# Altium PCB raspberry pi4.PcbDoc (part 2 of 2)
Units mm, origin at the board's own origin, x right, y up, seen from the top; angles counter-clockwise.
Board outline 121.25 x 91.25 mm, 4 copper layers (Top Layer, GND, PWR, Bottom Layer), stack 1.57 mm thick; 97 components, 119 nets, 632 pads, 47 vias.
Unrouted connection lines stored in the file: 124.
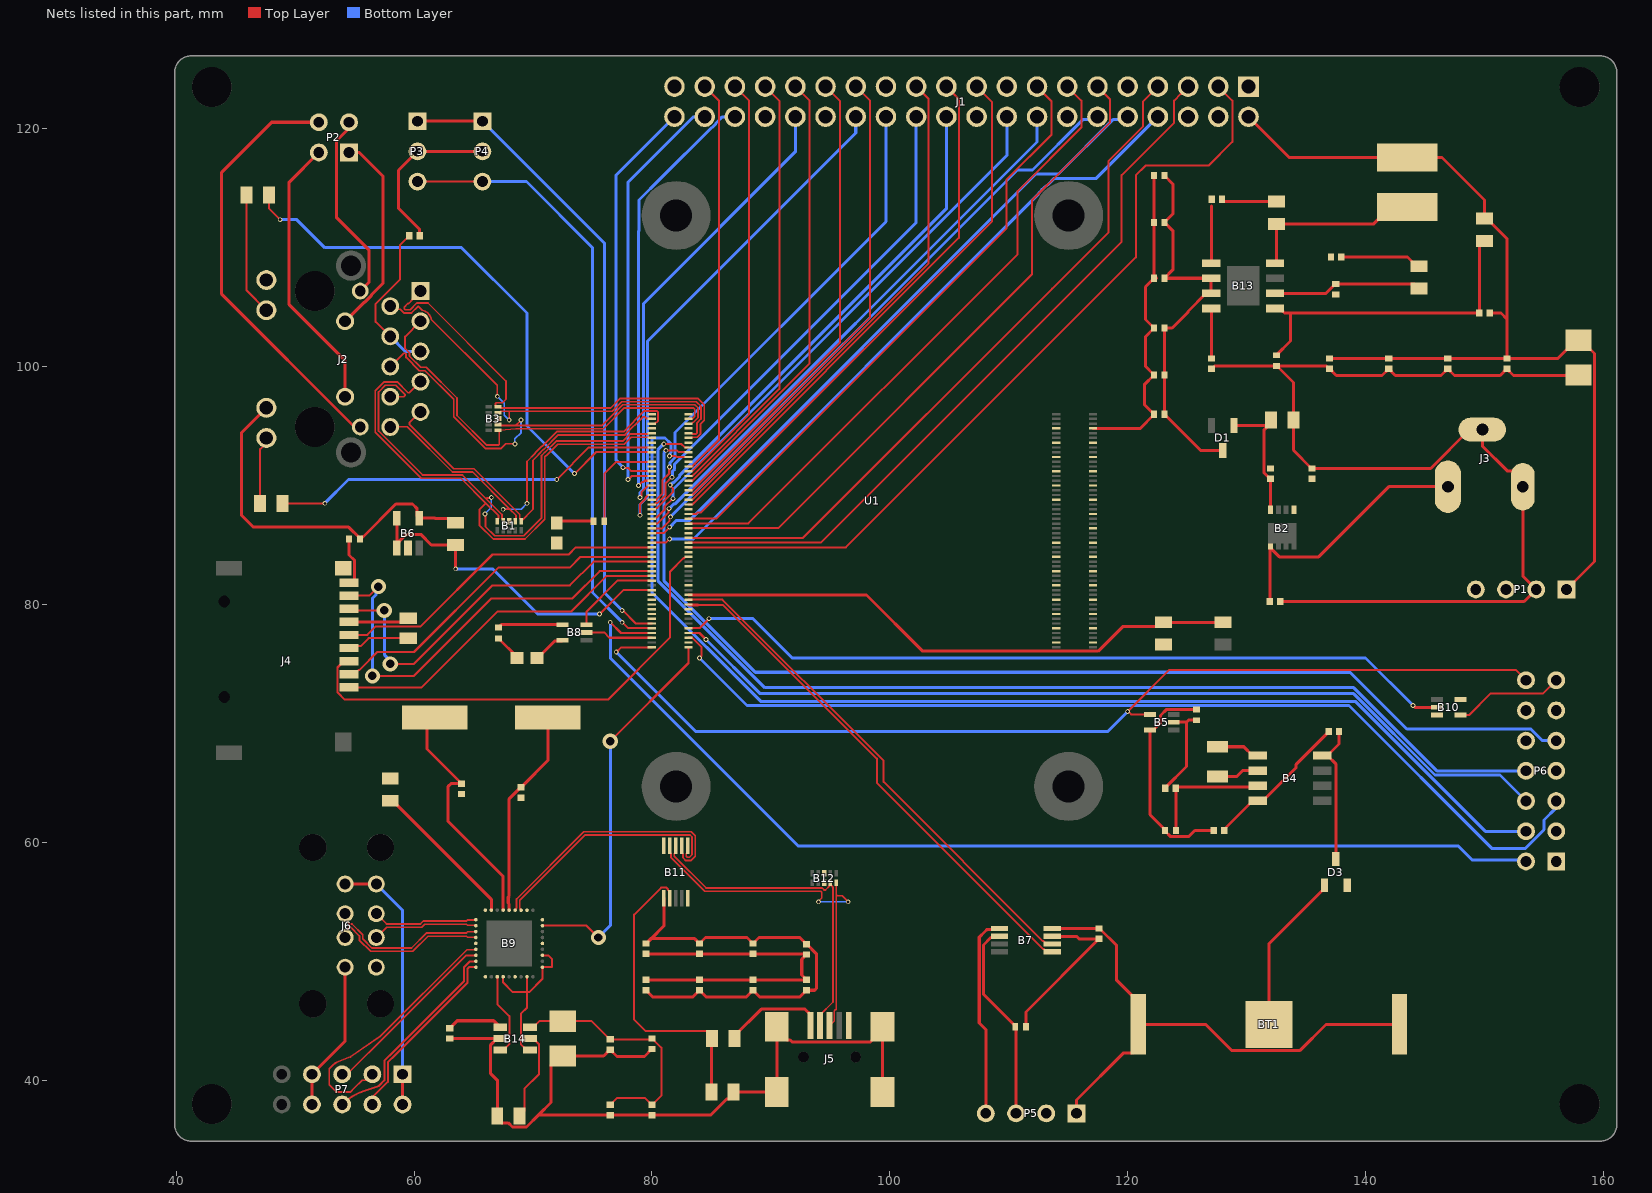
[diagram p2: the nets of this part, all layers, seen from the top]

## Via types
v1: diameter 0.4, hole 0.25, Top Layer to Bottom Layer, 41 vias
v2: diameter 1.27, hole 0.711, Top Layer to Bottom Layer, 6 vias

## Nets (pads, with @x,y where several pads share a name; then routed paths per layer and width w, separated by ;. In a path a pad name is that pad's centre, name@x,y a point inside that pad or via, vN(x,y) a via of type N, cw(c..) or ccw(c..) an arc to the next point about the centre after c; other vN are vias at no path point) (continued)
"3.3 V": B6.4 B7.3 B8.5 B9.5 B9.10 B9.15 B9.23 B9.27 B9.29 B9.36 B11.1 C9.2 C10.2 C11.2 C12.1 C13.1 C14.1 C15.1 C16.1 C17.1 D2.2 D3.2 D4.2 J1.1 J1.17 J2.15 J2.17 R5.1 R7.2 R8.2 R11.2 U1.84 U1.86 | length 86.7
  Top Layer w0.254: J2.17@47.59,96.535 45.5,94.445 45.5,87.5 46.5,86.5 54.512,86.5 R7.2@55.457,85.555 ; R7.2@55.457,85.5 R7.2@55.457,85.555 ; R8.2@63.5,86.87 63.127,87.243 61.781,87.243 61.774,87.25 B6.4@60.44,87.25 60.262,87.428 60.262,88.053 59.878,88.437 58.476,88.437 55.712,85.673 55.575,85.673 R7.2@55.457,85.555 ; D4.2@70.35,75.5 70.4,75.5 71.827,76.927 72.427,76.927 B8.5@72.5,77 ; C10.2@79.5,47.563 80.063,47 83.437,47 C11.2@84,47.563 84.563,47 87.937,47 C12.1@88.5,47.563 89.063,47 92.437,47 C13.1@93,47.563 93.681,47.563 93.83,47.712 93.83,50.642 93.035,51.437 C14.1@93,51.437 92.437,52 89,52 C15.1@88.5,51.5 88,52 84.5,52 C16.1@84,51.5 83.6,51.9 79.935,51.9 ; C17.1@79.5,51.5 79.9,51.9 79.935,51.9 ; C17.1@79.535,51.5 79.935,51.9 ; B11.1@81,55.3 81,52.965 79.935,51.9 ; R11.2@111.457,44.5 111.457,45.742 117.429,51.714 117.429,51.749 C9.2@117.567,51.887 ; B7.3@113.67,52.1 115.693,52.1 115.906,51.887 C9.2@117.567,51.887 ; C9.2@117.602,51.887 C9.2@117.567,51.887
"+5 V": B5.5 B10.5 B14.1 C8.2 C20.1 C22.2 C23.2 C24.2 C25.2 C26.2 C36.2 J1.2 J1.4 L1.2 P1.1 R9.1 R10.1 R17.2 U1.77 U1.79 U1.81 U1.83 U1.85 U1.87 | length 106
  Top Layer w0.254: C36.2@63,44.374 63.626,45 66.7,45 B14.1@67.25,44.45 ; R10.1@125.778,71.18 123.279,71.18 122.762,70.664 122.762,70.042 122.173,69.453 B5.5@121.873,69.453 121.873,62.328 123.146,61.055 123.146,60.945 123.618,60.473 125.121,60.473 125.648,61 C8.2@127.235,61 ; J1.2@130.16,121 133.585,117.575 L1.2@143.5,117.575 146.425,117.575 150,114 R17.2@150,112.435 150.21,112.435 151.881,110.764 151.881,104 ; C22.2@136.981,100.685 C23.2@141.948,100.685 C24.2@146.914,100.685 C25.2@151.881,100.685 ; C26.2@150.437,104.5 151.381,104.5 151.881,104 ; P1.1@156.893,81.264 159.241,83.612 159.241,101.096 158.119,102.218 C20.1@157.909,102.218 157.699,102.218 156.166,100.685 C25.2@151.881,100.685 ; C25.2@151.881,100.685 151.881,104
"+12 V": B2.1 B13.2 B13.3 C1.1 C2.2 C27.2 C28.2 C29.2 C30.2 C31.2 C32.2 D1.3 P1.4 P5.2 | length 34
  Top Layer w0.254: C27.2@123.096,116.062 123.8,115.358 123.8,112.829 C28.2@123.096,112.125 123.8,111.421 123.8,108.13 C32.2@123.096,107.426 B13.2@127.027,107.426 B13.3@127.027,106.156 126.589,106.156 125.067,104.633 125.067,104.56 123.742,103.235 C31.2@123.096,103.235 C30.2@123.096,99.298 C29.2@123.096,95.996 123.096,95.961 123.234,95.823 123.269,95.823 126.142,92.95 D1.3@128,92.95 D1.3@128,92.625 ; C1.1@131.965,91.437 C1.1@132,91.437
AIN0: P6.5 U1.96 | length 83.5
  Top Layer w0.17: U1.96@83.08,77.2 83.392,77.2 84.164,76.428 84.164,75.817 84.164,75.664 v1(84,75.5)
  Bottom Layer w0.254: v1(84,75.5) 88,71.5 138.606,71.5 150.606,59.5 152,59.5 152.633,59.5 153.442,59.5 154.467,60.525 155.008,61.065 155.008,61.875 156.03,62.897 P6.5@156.03,63.47
AIN1: P6.6 U1.94 | length 76.3
  Top Layer w0.17: U1.94@83.08,77.6 84.004,77.6 v1(84.552,77.052)
  Bottom Layer w0.254: v1(84.552,77.052) 89.104,72.5 138.999,72.5 145.844,65.656 151.304,65.656 P6.6@153.49,63.47
BT_DIS: P3.3 P4.3 U1.91 | length 52.3
  Top Layer w0.17: P3.3@60.289,115.551 P4.3@65.75,115.551 ; v1(77.5,78.5) 78,78 U1.91@80,78
  Bottom Layer w0.254: P4.3@65.75,115.551 69.449,115.551 75,110 75,81 v1(77.5,78.5)
EEPROM_WP: P6.4 U1.20 | length 99.3
  Top Layer w0.17: v1(81.486,92.491) 81.985,92.491 82.061,92.415 83.065,92.415 U1.20@83.08,92.4
  Bottom Layer w0.254: v1(81.486,92.491) 81.514,92.519 81.514,92.699 81.594,92.778 81.594,93.51 81.104,94 80,94 80,81 89.146,71.854 139.145,71.854 145.697,65.302 ; 145.698,65.302 150.07,60.93 P6.4@153.49,60.93
"ETH_LED G": R3.2 U1.17 | length 48.9
  Top Layer w0.17: R3.2@47.798,114.427 47.798,113.302 v1(48.748,112.352) ; v1(73.5,91) 75.3,92.8 U1.17@80,92.8
  Bottom Layer w0.254: v1(48.748,112.352) 50.148,112.352 52.5,110 64,110 69.5,104.5 69.5,95 v1(73.5,91)
"ETH_LED Y": R4.2 U1.15 | length 33
  Top Layer w0.17: R4.2@48.935,88.5 v1(52.5,88.5) ; v1(72,90.5) 74.7,93.2 U1.15@80,93.2
  Bottom Layer w0.254: v1(52.5,88.5) 54.5,90.5 v1(72,90.5)
EXTRST: B9.26 U1.100 | length 32.7
  Top Layer w0.17: B9.26@70.8,53 74.5,53 v2(75.5,52) ; v2(76.5,68.5) 83.08,75.08 U1.100@83.08,76.4
  Bottom Layer w0.254: v2(75.5,52) 76.5,53 v2(76.5,68.5)
GLOBAL_EN: B5.4 P6.14 U1.99 | length 86.9
  Top Layer w0.17: v1(77,76) 77.022,76 77.422,76.4 U1.99@80,76.4 ; B5.4@121.873,70.753 120.287,70.753 120.04,71 v1(120,71) 123.5,74.5 152.62,74.5 P6.14@153.49,73.63
  Bottom Layer w0.254: v1(77,76) 83.7,69.3 118.3,69.3 v1(120,71)
GND: B1.3 B3.3 B4.4 B6.2 B7.4 B8.3 B10.3 B11.5 B11.10 B12.3 B12.8 B14.2 BT1.P1 BT1.P2 C2.1 C3.1 C4.1 C5.1 C6.1 C8.1 C9.1 C10.1 C11.1 C12.2 C13.2 C14.2 C15.2 C16.2 C17.2 C18.2 C19.2 C20.2 C22.1 C23.1 C24.1 C25.1 C27.1 C28.1 C29.1 C30.1 C31.1 C32.1 C33.1 C34.1 C35.2 C36.1 C37.1 C38.1 C39.1 C40.1 C41.1 J1.6 J1.9 J1.14 J1.20 J1.25 J1.30 J1.34 J1.39 J3.2 J3.3 J4.6 J4.G1 J5.5 J5.S1 J5.S2 J5.S3 J5.S4 J6.4 J6.8 P1.2 P1.3 P3.2 P4.2 P5.1 P6.1 P6.3 P6.7 P6.10 P6.12 P7.7 P7.8 R1.1 R13.1 R15.2 R19.1 R20.2 U1.1 U1.2 U1.7 U1.8 U1.13 U1.14 U1.22 U1.23 U1.32 U1.33 U1.42 U1.43 U1.52 U1.53 U1.59 U1.60 U1.65 U1.66 U1.71 U1.74 U1.98 U1.107 U1.108 U1.113 U1.114 U1.119 U1.120 U1.125 U1.126 U1.131 U1.132 U1.137 U1.138 U1.144 U1.150 U1.155 U1.156 U1.161 U1.162 U1.167 U1.168 U1.173 U1.174 U1.179 U1.180 U1.185 U1.186 U1.191 U1.192 U1.197 U1.198 | length 324.1
  Top Layer w0.17: B8.3@74.5,78.3 74.5,79.4 77.1,82 U1.71@80,82
  Top Layer w0.254: P7.8@51.42,37.96 P7.7@51.42,40.5 54.21,43.29 J6.8@54.21,49.5 ; J4.6@54.55,78.535 59.205,78.535 C6.1@59.5,78.83 ; C3.1@60.474,111 60.474,111.526 58.7,113.3 58.7,116.502 P3.2@60.289,118.091 P4.2@65.75,118.091 ; C36.1@63,43.5 B14.2@66.975,43.5 ; B14.2@67.25,43.5 B14.2@66.975,43.5 ; C10.1@79.5,48.437 C11.1@84,48.437 C12.2@88.5,48.437 C13.2@93,48.437 92.6,48.837 92.6,50.163 C14.2@93,50.563 92.968,50.595 88.532,50.595 C15.2@88.5,50.626 C16.2@84,50.626 C17.2@79.5,50.626 ; C38.1@80,42.626 79.374,42 77.063,42 C37.1@76.5,42.563 76.465,42.563 75.942,42.04 C35.2@72.5,42.04 72.29,42.04 71.522,41.272 71.522,38.121 70.493,37.092 ; J5.S1@90.5,44.5 J5.S1@90.5,44.25 ; J5.S3@99.4,39 J5.S2@99.4,44.25 ; J5.S2@99.4,44.5 J5.S2@99.4,44.25 ; B7.4@113.67,52.75 113.676,52.756 117.597,52.756 C9.1@117.602,52.761 117.637,52.761 119.078,51.32 119.078,48.404 120.889,46.593 BT1.P2@120.889,44.688 ; P5.1@115.697,37.211 115.697,38.342 119.63,42.275 120.381,42.275 120.889,42.783 BT1.P2@120.889,44.688 ; U1.108@117.08,94.8 121.061,94.8 122.222,95.961 C29.1@122.222,95.996 121.4,96.818 121.4,98.476 C30.1@122.222,99.298 121.5,100.02 121.5,102.513 C31.1@122.222,103.235 121.5,103.957 121.5,106.704 C32.1@122.222,107.426 ; C27.1@122.222,116.062 C28.1@122.222,112.125 122.222,107.659 122.42,107.461 C32.1@122.42,107.426 ; C33.1@127.048,99.811 127.083,99.811 127.315,100.043 R19.1@132.5,100.043 R19.1@132.555,100.043 ; C8.1@128.109,61 128.018,61 130.502,63.484 B4.4@130.927,63.484 131.352,63.484 134.167,66.299 134.167,66.56 136.898,69.291 C5.1@136.898,69.326 ; C4.1@132.819,80.248 153.337,80.248 P1.2@154.353,81.264 153.22,82.397 J3.2@153.22,89.9 153.22,90.428 152.414,91.234 151.905,91.234 149.82,93.319 J3.3@149.82,94.7 148.744,94.7 145.481,91.437 C2.1@135.5,91.437 135.465,91.437 133.935,92.967 R1.1@133.935,95.5 133.935,98.663 R19.1@132.555,100.043 ; BT1.P1@142.859,44.688 136.667,44.688 134.46,42.481 128.776,42.481 126.569,44.688 BT1.P2@120.889,44.688 ; C20.2@157.909,99.298 157.396,99.811 156.835,99.25 152.442,99.25 C25.1@151.881,99.811 151.32,99.25 147.475,99.25 C24.1@146.914,99.811 146.353,99.25 142.509,99.25 C23.1@141.948,99.811 141.387,99.25 137.542,99.25 C22.1@136.981,99.811 136.946,99.811 136.714,100.043 R19.1@132.555,100.043 ; B14.2@66.975,43.5 66.448,42.973 66.448,40.554 67,40.002 R20.2@67,37 67,36.79 67.373,36.417 67.922,36.417 68.276,36.063 69.464,36.063 70.493,37.092 ; 70.493,37.092 70.522,37.063 C39.1@76.5,37.063 C40.1@80,37.063 84.933,37.063 86.287,38.417 86.497,38.417 86.87,38.79 R15.2@86.87,39 J5.S4@90.5,39 J5.S1@90.5,44.25 ; J5.S1@90.5,44.25 91.373,43.377 91.623,43.377 91.777,43.223 98.373,43.223 J5.S2@99.4,44.25
GPIO2: J1.3 U1.58 | length 69
  Top Layer w0.17: U1.58@83.08,84.8 96.3,84.8 120.684,109.184 120.684,116.084 121.5,116.9 126.8,116.9 128.8,118.9 128.8,122.36 J1.3@127.62,123.54
GPIO3: J1.5 U1.56 | length 62.6
  Top Layer w0.17: U1.56@83.08,85.2 94.2,85.2 119.5,110.5 119.5,116.1 123.9,120.5 123.9,122.36 124.47,122.93 125.08,122.93 J1.5@125.08,123.54
GPIO4: J1.7 U1.54 | length 59.9
  Top Layer w0.17: U1.54@83.08,85.6 83.392,85.6 83.407,85.585 92.685,85.585 113.659,106.559 118.4,111.3 118.4,117.3 121.3,120.2 121.3,122.3 J1.7@122.54,123.54
GPIO5: J1.29 U1.34 | length 39.9
  Top Layer w0.17: U1.34@83.08,89.6 83.33,89.6 83.392,89.6 95.802,102.01 95.802,122.338 J1.29@94.6,123.54
GPIO6: J1.31 U1.30 | length 38
  Top Layer w0.17: U1.30@83.08,90.4 83.392,90.4 83.507,90.515 93.262,100.27 93.262,122.338 J1.31@92.06,123.54
GPIO7: J1.26 U1.37 | length 40.6
  Top Layer w0.17: U1.37@80,88.8 80.371,88.8 80.887,89.316 80.887,90.439 81.46,91.012 81.46,91.526 v1(81.486,91.552)
  Bottom Layer w0.254: v1(81.486,91.552) 81.514,91.58 81.514,91.914 81.948,92.348 81.948,94.448 99.68,112.18 J1.26@99.68,121
GPIO8: J1.24 U1.39 | length 42
  Top Layer w0.17: U1.39@80,88.4 80.015,88.415 80.265,88.415 80.365,88.515 80.468,88.515 81.157,89.204 81.157,90.205 81.646,90.695 v1(81.69,90.695)
  Bottom Layer w0.254: v1(81.69,90.695) 81.718,90.723 81.718,91.181 81.913,91.375 81.913,91.813 102.22,112.12 J1.24@102.22,121
GPIO9: J1.21 U1.40 | length 45.2
  Top Layer w0.17: U1.40@83.08,88.4 83.392,88.4 83.507,88.515 105.807,110.816 105.807,122.492 J1.21@104.76,123.54
GPIO10: J1.19 U1.44 | length 47.6
  Top Layer w0.17: U1.44@83.08,87.6 83.33,87.6 83.43,87.6 83.715,87.6 83.83,87.715 84.115,87.715 108.6,112.2 108.6,121.258 108.6,122.24 107.91,122.93 J1.19@107.3,123.54
GPIO11: J1.23 U1.38 | length 43.7
  Top Layer w0.17: U1.38@83.08,88.8 83.392,88.8 83.507,88.915 103.267,108.676 103.267,122.492 J1.23@102.22,123.54
GPIO12: J1.32 U1.31 | length 39
  Top Layer w0.17: v1(79,89) 79.115,89.115 79.115,89.427 79.688,90 U1.31@80,90
  Bottom Layer w0.254: v1(79,89) 79,89.396 79.292,89.688 79.292,105.292 92.06,118.06 J1.32@92.06,121
GPIO13: J1.33 U1.28 | length 36.6
  Top Layer w0.17: U1.28@83.08,90.8 83.392,90.8 83.507,90.915 90.722,98.13 90.722,122.338 J1.33@89.52,123.54
GPIO14: J1.8 U1.55 | length 57.4
  Top Layer w0.17: U1.55@80,85.2 81.157,85.2 81.457,85.5 v1(81.5,85.5)
  Bottom Layer w0.254: v1(81.5,85.5) 83.5,85.5 112.446,114.446 cw(c115.04,112.7) 113.294,115.294 113.827,115.827 117.367,115.827 J1.8@122.54,121
GPIO15: J1.10 U1.51 | length 54.5
  Top Layer w0.17: U1.51@80,86 81,86 v1(81.5,86.5)
  Bottom Layer w0.254: v1(81.5,86.5) 82.073,87.073 83.173,87.073 112.281,116.181 114.182,116.181 118.756,120.756 119.756,120.756 J1.10@120,121
GPIO16: J1.36 U1.29 | length 36.3
  Top Layer w0.17: v1(78.865,90) 78.88,90 79.194,90.314 79.314,90.314 79.4,90.4 U1.29@80,90.4
  Bottom Layer w0.254: v1(78.865,90) 78.865,111.357 78.913,111.405 78.913,113.995 80.745,115.827 84.961,120.043 ccw(c84.44,121) 85.397,120.479 85.918,121 J1.36@86.98,121
GPIO17: J1.11 U1.50 | length 56.7
  Top Layer w0.17: U1.50@83.08,86.4 83.095,86.415 90.615,86.415 111.955,107.755 111.955,111.422 111.955,113.978 113.324,115.347 ; 113.335,115.335 118.507,120.507 118.507,122.492 J1.11@117.46,123.54
GPIO18: J1.12 U1.49 | length 52
  Top Layer w0.17: U1.49@80,86.4 80.856,86.4 81.5,87.044 81.5,87.364 v1(81.564,87.364)
  Bottom Layer w0.254: v1(81.564,87.364) 110.736,116.535 111.996,116.535 116.216,120.756 117.216,120.756 J1.12@117.46,121
GPIO19: J1.35 U1.26 | length 35.1
  Top Layer w0.17: U1.26@83.08,91.2 83.392,91.2 83.507,91.315 88.182,95.99 88.182,122.338 J1.35@86.98,123.54
GPIO20: J1.38 U1.27 | length 35.8
  Top Layer w0.17: v1(78,90.5) 78.3,90.8 U1.27@80,90.8
  Bottom Layer w0.254: v1(78,90.5) 78,90.54 78,115.5 83.5,121 J1.38@84.44,121
GPIO21: J1.40 U1.25 | length 34.3
  Top Layer w0.17: v1(77.573,91.5) 77.617,91.456 78.014,91.456 78.27,91.2 U1.25@80,91.2
  Bottom Layer w0.254: v1(77.573,91.5) 77.573,91.54 77,92.113 77,92.427 77,116.1 J1.40@81.9,121
GPIO22: J1.15 U1.46 | length 50.8
  Top Layer w0.17: U1.46@83.08,87.2 83.095,87.215 85.415,87.215 109.8,111.6 109.8,115.7 113.6,119.5 113.6,122.32 J1.15@112.38,123.54
GPIO23: J1.16 U1.47 | length 47.9
  Top Layer w0.17: U1.47@80,86.8 80.3,86.8 80.456,86.8 81.404,87.748 81.404,88.008 v1(81.448,88.052)
  Bottom Layer w0.254: v1(81.448,88.052) 81.45,88.052 81.86,88.462 81.961,88.462 112.38,118.881 J1.16@112.38,121
GPIO24: J1.18 U1.45 | length 46.4
  Top Layer w0.17: U1.45@80,87.2 80.25,87.2 80.365,87.315 80.427,87.315 81.053,87.941 81.053,88.201 81.741,88.889 v1(81.768,88.889)
  Bottom Layer w0.254: v1(81.768,88.889) 81.768,89.668 109.84,117.74 J1.18@109.84,121
GPIO25: J1.22 U1.41 | length 43.7
  Top Layer w0.17: U1.41@80,88 80.25,88 80.365,88.115 80.45,88.115 81.77,89.435 81.77,89.755 81.542,89.983 v1(81.542,90.046)
  Bottom Layer w0.254: v1(81.542,90.046) 81.581,90.046 81.803,90.268 81.867,90.268 82.312,90.713 82.312,90.812 104.76,113.26 J1.22@104.76,121
GPIO26: J1.37 U1.24 | length 33.7
  Top Layer w0.17: U1.24@83.08,91.6 83.268,91.6 83.392,91.6 83.615,91.823 85.642,93.85 85.642,122.338 J1.37@84.44,123.54
GPIO27: J1.13 U1.48 | length 53.8
  Top Layer w0.17: U1.48@83.08,86.8 83.095,86.815 88.115,86.815 110.748,109.448 110.748,114.748 116.1,120.1 116.1,122.36 J1.13@114.92,123.54
GPIO_VREF: R5.2 R6.2 U1.78 | length 47.9
  Top Layer w0.254: U1.78@83.08,80.8 98.037,80.8 102.764,76.073 117.524,76.073 119.578,78.127 122.627,78.127 R5.2@123,78.5 R6.2@128,78.5
HD1_N: B9.1 J6.2 | length 8.9
  Top Layer w0.148: J6.2@56.83,54 57.692,53.138 60.539,53.138 60.789,53.388 64.416,53.388 64.505,53.476 65.176,53.476 B9.1@65.2,53.5
HD1_P: B9.2 J6.3 | length 8.9
  Top Layer w0.148: J6.3@56.83,52 57.692,52.862 60.653,52.862 60.903,53.112 64.416,53.112 64.505,53.024 65.176,53.024 B9.2@65.2,53
HD2_N: B9.3 J6.6 | length 13.3
  Top Layer w0.148: J6.6@54.21,54 54.455,53.755 54.455,53.232 54.549,53.138 54.786,53.138 55.688,52.235 55.688,51.886 56.462,51.112 59.785,51.112 61.061,52.388 64.416,52.388 64.505,52.476 65.176,52.476 B9.3@65.2,52.5
HD2_P: B9.4 J6.7 | length 13.3
  Top Layer w0.148: J6.7@54.21,52 54.455,52.245 54.455,52.768 54.549,52.862 54.672,52.862 55.413,52.121 55.413,51.772 56.348,50.837 59.899,50.837 61.175,52.112 64.416,52.112 64.505,52.024 65.176,52.024 B9.4@65.2,52
HD3_N: B9.6 P7.3 | length 22
  Top Layer w0.148: P7.3@56.5,40.5 56,40 55.634,40 54.993,39.36 54.634,39 53.5,39 52.869,39.631 52.869,40.401 52.869,40.952 53.257,41.341 cw(c53.764,40.834) 53.5,41.5 54.667,41.963 57.161,43.682 64.455,50.976 65.176,50.976 B9.6@65.2,51
HD3_P: B9.7 P7.5 | length 15.4
  Top Layer w0.148: P7.5@53.96,40.5 54.369,40.5 57.947,44.078 64.345,50.476 64.649,50.476 65.176,50.476 B9.7@65.2,50.5
HD4_N: B9.8 P7.6 | length 17.6
  Top Layer w0.17: P7.6@53.96,37.96 cw(c57.328,34.592) 55.792,39.101 57.058,39.532 57.511,39.985 57.511,41.153 57.511,41.633 58.334,42.456 64.203,48.325 64.203,49.498 64.705,50 B9.8@65.2,50
HD4_P: B9.9 P7.4 | length 15.5
  Top Layer w0.17: P7.4@56.5,37.96 56.5,38.554 57.808,39.862 57.808,39.872 57.808,41.51 58.457,42.159 64.5,48.202 64.5,49.375 64.625,49.5 B9.9@65.2,49.5
ID_SC: J1.28 U1.35 | length 43.3
  Top Layer w0.17: v1(79,87.5) 79,88.427 79.465,88.892 79.465,88.977 79.688,89.2 U1.35@80,89.2
  Bottom Layer w0.254: v1(79,87.5) 79,88.396 79.427,88.823 79.646,89.042 79.646,102.146 97.14,119.64 J1.28@97.14,121
ID_SD: J1.27 U1.36 | length 41.3
  Top Layer w0.17: U1.36@83.08,89.2 83.33,89.2 83.392,89.2 98.342,104.15 98.342,122.338 J1.27@97.14,123.54
NetB2_4: B2.4 C1.2 D1.1 R1.2 | length 11.1
  Top Layer w0.254: D1.1@128.955,95.05 R1.2@131.692,95.05 ; R1.2@131.937,95.372 R1.2@132.065,95.5 R1.2@132.065,95.423 ; R1.2@131.975,95.333 R1.2@132.065,95.423 ; B2.4@132.025,87.955 132.012,87.968 132.012,90.551 C1.2@132,90.563 131.965,90.563 131.473,91.055 131.473,94.698 132.065,95.29 R1.2@132.065,95.423
NetB2_5: B2.5 C4.2 J3.1 | length 22.2
  Top Layer w0.254: C4.2@131.945,80.248 131.985,80.288 B2.5@131.985,84.641 ; B2.5@132.025,84.875 132.108,84.792 132.108,84.641 132.749,84 136.057,84 141.957,89.9 J3.1@146.92,89.9
NetB4_1: B4.1 Y1.2 | length 3.7
  Top Layer w0.254: Y1.2@127.556,68.036 129.76,68.036 130.502,67.294 B4.1@130.927,67.294
NetB4_2: B4.2 Y1.1 | length 3.6
  Top Layer w0.254: Y1.1@127.556,65.536 129.171,65.536 129.659,66.024 B4.2@130.927,66.024
NetB4_8: B4.8 C5.2 D3.3 | length 11.8
  Top Layer w0.254: B4.8@136.377,67.294 B4.8@136.802,67.294 ; D3.3@137.5,58.6 137.5,66.596 B4.8@136.802,67.294 ; C5.2@137.772,69.326 137.772,68.264 B4.8@136.802,67.294
NetB5_2: B5.2 C7.1 R10.2 | length 8.3
  Top Layer w0.254: C7.1@123.166,64.548 123.166,64.583 124.956,66.373 124.956,70.103 ; B5.2@123.873,70.103 124.956,70.103 ; R10.2@125.778,70.266 125.119,70.266 124.956,70.103
NetB7_5: B7.5 P5.4 | length 17
  Top Layer w0.254: P5.4@108.077,37.211 108.077,44.258 107.522,44.813 107.522,52.022 108,52.5 108,52.503 108.149,52.652 109.122,52.652 B7.5@109.22,52.75
NetB7_6: B7.6 P5.3 R11.1 | length 16.9
  Top Layer w0.254: B7.6@109.22,52.1 109.122,52.002 108.501,52.002 107.876,51.377 107.876,47.222 110.543,44.555 R11.1@110.543,44.5 110.617,44.426 P5.3@110.617,37.211
NetB8_4: B8.4 R12.1 | length 5.5
  Top Layer w0.254: R12.1@67.1,78.057 67.343,78.3 B8.4@72.5,78.3
NetB9_35: B9.35 R13.2 | length 12.8
  Top Layer w0.254: R13.2@58,63.5 58.21,63.5 66.5,55.21 B9.35@66.5,54.3
NetB10_4: B10.4 P6.13 | length 9.2
  Top Layer w0.17: B10.4@148,70.7 148.7,70.7 150.5,72.5 154.901,72.5 P6.13@156.03,73.63
NetB13_1: B13.1 C21.1 | length 4.8
  Top Layer w0.254: B13.1@127.027,108.696 127.063,108.732 127.063,113.5
NetB13_4: B13.4 C33.2 | length 4.2
  Top Layer w0.254: B13.4@127.027,104.886 127.048,104.865 C33.2@127.048,100.685
NetB13_5: B13.5 C26.1 R17.1 R19.2 | length 27.9
  Top Layer w0.254: B13.5@132.403,104.886 132.84,104.886 133.038,104.688 133.038,104.649 133.187,104.5 133.7,104.5 ; R19.2@132.5,100.957 133.7,102.157 133.7,104.5 ; R17.1@150,110.565 149.936,110.565 149.563,110.192 C26.1@149.563,104.5 133.7,104.5 ; R17.1@150.333,110.301 R17.1@150.543,110.301
NetB13_6: B13.6 C34.2 R18.2 | length 12.6
  Top Layer w0.254: B13.6@132.403,106.156 136.684,106.156 137.465,106.937 C34.2@137.5,106.937 144.128,106.937 R18.2@144.5,106.565
NetB13_8: B13.8 L1.1 R16.2 | length 14.9
  Top Layer w0.254: B13.8@132.403,108.696 132.5,108.793 R16.2@132.5,112 140.7,112 142.125,113.425 L1.1@143.5,113.425
NetB14_5: B14.5 R20.1 | length 7.7
  Top Layer w0.17: R20.1@68.87,37 69.285,37.415 69.285,39.266 70.51,40.491 70.51,43.015 70.025,43.5 B14.5@69.75,43.5
NetB14_6: B14.6 C35.1 C37.2 C38.2 C39.2 C40.2 | length 21.3
  Top Layer w0.17: B14.6@69.75,44.45 70.025,44.45 70.535,44.96 C35.1@72.5,44.96 74.942,44.96 76.465,43.437 C37.2@76.5,43.437 79.937,43.437 C38.2@80,43.5 80.035,43.5 80.8,42.735 80.8,38.702 C40.2@80.035,37.937 ; C39.2@76.5,37.937 77.063,38.5 79.437,38.5 C40.2@80,37.937
NetBT1_N: BT1.N D3.1 | length 13.6
  Top Layer w0.254: BT1.N@131.874,44.688 131.874,51.459 136.54,56.125 D3.1@136.54,56.4
NetC3_2: C3.2 J2.4 J2.5 | length 13.5
  Top Layer w0.17: J2.4@58,102.54 57.04,103.5 56.775,103.765 56.775,105.275 58.809,107.309 58.809,110.021 ; 58.809,109.691 58.809,110.209 C3.2@59.6,111
  Bottom Layer w0.254: J2.4@58,102.54 59.27,101.27 J2.5@60.54,101.27
NetC6_2: C6.2 J4.4 | length 5.3
  Top Layer w0.17: J4.4@54.55,76.335 54.705,76.49 55.505,76.49 56.185,77.17 C6.2@59.5,77.17
NetC21_2: C21.2 R16.1 | length 4.7
  Top Layer w0.254: C21.2@127.937,114.07 127.937,114.035 128.102,113.87 R16.1@132.5,113.87
NetC41_2: C41.2 R18.1 | length 6.8
  Top Layer w0.254: C41.2@137.97,109.204 143.521,109.204 144.29,108.435 R18.1@144.5,108.435
NetD2_1: D2.1 R2.2 | length 3.1
  Top Layer w0.254: D2.1@72,86.85 72.15,87 R2.2@75.086,87
NetD4_1: D4.1 R12.2 | length 2.3
  Top Layer w0.254: R12.2@67.1,77.143 68.65,75.593 D4.1@68.65,75.5
NetJ2_16: J2.16 R3.1 | length 10.4
  Top Layer w0.17: R3.1@45.928,114.427 45.928,106.397 J2.16@47.59,104.735
NetJ2_18: J2.18 R4.1 | length 5.7
  Top Layer w0.17: R4.1@47.065,88.5 47.065,93.061 47.59,93.586 J2.18@47.59,93.995
NetJ4_CD1: J4.CD1 R7.1 | length 4.1
  Top Layer w0.254: R7.1@54.543,85.5 54.543,84.163 54.977,83.729 54.977,82.058 54.754,81.835 J4.CD1@54.55,81.835
NetJ5_1: J5.1 R14.1 | length 8.7
  Top Layer w0.254: R14.1@86.935,43.5 86.935,43.71 89.202,45.977 92.873,45.977 93.35,45.5 J5.1@93.35,44.6
NetR2_1: R2.1 U1.21 | length 8.4
  Top Layer w0.17: R2.1@76,87 76,91 76.973,91.973 79.973,91.973 U1.21@80,92
nOCS1: B9.13 B9.17 B9.19 B9.21 B14.4 | length 14.8
  Top Layer w0.17: B9.13@67.5,48.7 67.5,48.213 68.311,47.402 69.5,47.402 ; B9.17@69.5,48.7 69.5,47.402 ; B14.4@69.75,42.55 69.475,42.55 68.99,43.035 68.99,45.595 69.5,46.105 69.5,47.402 ; B9.21@70.8,50.5 71.287,50.5 71.619,50.168 71.619,49.559 71.56,49.5 B9.19@70.8,49.5 70.8,48.513 69.689,47.402 69.5,47.402
nRTC_INT: B4.3 C7.2 R9.2 | length 10.5
  Top Layer w0.254: R9.2@124.06,61 124.05,61.01 124.05,64.538 C7.2@124.04,64.548 124.143,64.651 130.824,64.651 B4.3@130.927,64.754
PLL: B9.33 C18.1 Y2.1 | length 20.6
  Top Layer w0.254: Y2.1@61.75,70.5 61.095,69.845 61.095,67.842 63.827,65.11 63.827,65.075 C18.1@63.965,64.937 ; C18.1@64,64.937 C18.1@63.965,64.937 ; B9.33@67.5,54.3 67.5,57.126 62.873,61.753 62.873,64.705 63.105,64.937 C18.1@63.965,64.937
PWR1: B9.12 B14.3 | length 7
  Top Layer w0.17: B9.12@67,48.7 67,46.399 68.01,45.389 68.01,43.035 67.525,42.55 B14.3@67.25,42.55
PWR_LED: B8.2 U1.95 | length 5.7
  Top Layer w0.17: B8.2@74.5,77.65 75.979,77.65 76.429,77.2 U1.95@80,77.2
RIBOOT: P6.2 U1.93 | length 91
  Top Layer w0.17: v1(76.5,78.5) 77.4,77.6 U1.93@80,77.6
  Bottom Layer w0.254: v1(76.5,78.5) 76.5,75.5 92.3,59.7 147.8,59.7 149,58.5 153.38,58.5 P6.2@153.49,58.39
RUN_PG: B10.2 U1.92 | length 66.3
  Top Layer w0.17: U1.92@83.08,78 84,78 v1(84.802,78.802)
  Top Layer w0.254: v1(144,71.5) 144.15,71.35 B10.2@146,71.35
  Bottom Layer w0.254: v1(84.802,78.802) 88.498,78.802 91.8,75.5 140,75.5 v1(144,71.5)
SCL0: B7.2 U1.80 | length 43.6
  Top Layer w0.17: U1.80@83.08,80.4 85.928,80.4 99.477,66.851 99.477,65.082 112.868,51.69 112.93,51.69 113.17,51.45 B7.2@113.67,51.45
SD_CLK: J4.5 U1.57 | length 28.5
  Top Layer w0.17: J4.5@54.55,77.435 56.068,77.435 56.793,78.16 60.56,78.16 66.6,84.2 73,84.2 73.6,84.8 U1.57@80,84.8
SD_CMD: J4.3 U1.62 | length 41.3
  Top Layer w0.17: J4.3@54.55,75.235 54.1,75.235 53.565,74.7 53.565,72.608 54.173,72 76.312,72 81.54,77.228 81.54,82.772 82.653,83.885 82.715,83.885 82.83,84 U1.62@83.08,84
SD_DAT0: J4.7 U1.63 | length 33.3
  Top Layer w0.17: J4.7@54.55,79.635 54.685,79.5 v2(57.5,79.5) ; v2(58,75) 60,75 66.6,81.6 73.1,81.6 75.1,83.6 U1.63@80,83.6
  Bottom Layer w0.254: v2(57.5,79.5) 57.5,75.775 58,75.275 v2(58,75)
SD_DAT1: J4.8 U1.67 | length 37.6
  Top Layer w0.17: J4.8@54.55,80.735 56.235,80.735 v2(57,81.5) ; v2(56.5,74) 60,74 66.5,80.5 73.3,80.5 75.6,82.8 U1.67@80,82.8
  Bottom Layer w0.254: v2(56.5,74) 56.5,80.5 56.806,80.806 56.806,81.306 v2(57,81.5)
SD_DAT2: J4.1 U1.69 | length 29.3
  Top Layer w0.17: J4.1@54.55,73.035 57.4,73.035 60.635,73.035 67,79.4 73.2,79.4 76.2,82.4 78.159,82.4 U1.69@80,82.4
SD_DAT3: J4.2 U1.61 | length 29.5
  Top Layer w0.17: J4.2@54.55,74.135 55,74.135 55.36,74.495 55.422,74.495 56.927,76 60,76 67.1,83.1 73.1,83.1 74,84 U1.61@80,84
SD_PWR_ON: B6.1 B6.5 R8.1 U1.75 | length 29.1
  Top Layer w0.17: v1(75.6,79.2) 77.6,81.2 U1.75@80,81.2
  Top Layer w0.254: B6.1@58.56,84.75 B6.1@58.56,85.05 ; B6.5@58.56,87.25 B6.1@58.56,85.05 ; v1(63.5,83) R8.1@63.5,85 61.461,85 60.566,85.895 59.346,85.895 58.758,85.307 58.758,85.248 B6.1@58.56,85.05
  Bottom Layer w0.254: v1(63.5,83) 66.6,83 70.4,79.2 v1(75.6,79.2)
SDA0: B7.1 U1.82 | length 43.9
  Top Layer w0.17: 83.866,79.973 85.973,79.973 98.915,67.031 98.915,64.993 112.868,51.04 112.93,51.04 113.17,50.8 B7.1@113.67,50.8
  Top Layer w0.254: U1.82@83.08,80 83.107,79.973 83.866,79.973
SYNC_IN: P6.8 U1.16 | length 93.5
  Top Layer w0.17: v1(81,93.5) 82.468,93.5 82.545,93.423 82.768,93.2 U1.16@83.08,93.2
  Bottom Layer w0.254: v1(81,93.5) 80.5,93 80.5,81.999 89.499,73 139,73 145.99,66.01 P6.8@153.49,66.01
SYNC_OUT: P6.9 U1.18 | length 93.6
  Top Layer w0.17: v1(81.167,92.955) 82.089,92.955 82.244,92.8 U1.18@83.08,92.8
  Bottom Layer w0.254: v1(81.167,92.955) 81.167,92.916 81,92.749 81,82 88.7,74.3 138.7,74.3 143.473,69.527 153.895,69.527 154.872,68.55 P6.9@156.03,68.55
TR0_TAP: J2.11 P2.3 | length 16
  Top Layer w0.254: P2.3@54.54,120.54 54.54,120.04 53.5,119 53.5,112.512 56.2,109.812 56.2,109.573 56.201,108.542 cw(c54.7,108.485) 56.201,108.428 56.201,107.071 J2.11@55.48,106.35
TR1_TAP: J2.12 P2.1 | length 17.2
  Top Layer w0.254: J2.12@54.21,103.81 55.819,105.419 55.866,105.419 56.411,105.964 56.411,106.011 57.4,107 57.4,116 55.4,118 P2.1@54.54,118
TR2_TAP: J2.13 P2.2 | length 23.5
  Top Layer w0.254: P2.2@52,118 49.5,115.5 49.5,107.1 49.5,105.2 54.21,100.49 J2.13@54.21,97.46
TR3_TAP: J2.14 P2.4 | length 36.4
  Top Layer w0.254: P2.4@52,120.54 48.04,120.54 43.827,116.327 43.827,106.828 43.827,106.084 54.991,94.92 J2.14@55.48,94.92
TRD0_N: B3.4 J2.2 U1.10 | length 37.1
  Top Layer w0.148: J2.2@58,105.08 58.252,104.828 58.832,104.828 59.151,104.508 59.793,104.508 60.35,105.065 60.689,104.726 cw(c60.54,103.81) 61.196,104.466 cw(c60.54,103.81) 61.456,103.959 67,98.415 v1(67,97.5) ; B3.4@67.06,96.131 67.185,96.131 67.297,96.243 68,96.243 ; v1(68,95.5) 68,96.243 ; U1.10@83.08,94.4 83.33,94.4 83.392,94.338 83.714,94.338 83.801,94.424 83.801,95.273 84.127,95.6 84.127,96.66 83.742,97.046 77.454,97.046 76.652,96.243 68,96.243
  Bottom Layer w0.148: v1(67,97.5) 67.589,96.911 67.589,95.911 v1(68,95.5)
TRD0_P: B3.5 J2.1 U1.12 | length 38.3
  Top Layer w0.148: J2.1@60.54,106.35 59.86,105.67 59.86,105.615 59.549,105.304 59.49,105.304 59.179,104.993 59.179,104.87 59.265,104.784 59.679,104.784 60.236,105.34 61.174,105.34 67.736,98.778 67.736,97.251 67.441,96.955 66.891,96.955 66.859,96.924 66.859,96.707 66.935,96.631 67.185,96.631 67.297,96.519 76.538,96.519 77.341,97.321 83.856,97.321 84.403,96.774 84.403,95.486 84.076,95.159 84.076,94.31 83.828,94.062 83.392,94.062 83.33,94 U1.12@83.08,94
TRD1_N: B3.2 J2.6 U1.6 | length 37.5
  Top Layer w0.148: J2.6@58,100 59.127,101.127 59.25,101.127 59.337,101.04 59.337,100.772 60.45,99.658 60.924,99.658 63.337,97.246 63.337,95.774 65.991,93.12 67.325,93.12 67.707,93.502 68.498,93.502 v1(68.5,93.5) ; 67.36,95.056 68.621,95.056 ; v1(69,95.5) 68.621,95.121 68.621,95.056 ; U1.6@83.08,95.2 83.33,95.2 83.456,95.326 83.502,95.326 83.879,95.703 83.879,96.526 83.608,96.797 77.557,96.797 75.816,95.056 68.621,95.056
  Bottom Layer w0.148: v1(68.5,93.5) 68.474,93.526 68.474,93.922 69,94.448 v1(69,95.5)
TRD1_P: B3.1 J2.3 U1.4 | length 34.7
  Top Layer w0.148: J2.3@60.54,103.81 59.249,102.519 59.249,101.517 59.612,101.154 59.612,100.886 60.564,99.933 61.038,99.933 63.612,97.36 63.612,95.888 66.105,93.395 67.074,93.395 67.16,93.482 B3.1@67.16,94.626 ; B3.1@67.175,94.642 67.261,94.651 68.555,94.779 68.564,94.779 68.577,94.779 75.928,94.779 77.671,96.522 83.494,96.522 83.604,96.412 83.604,95.817 83.413,95.626 83.106,95.626 U1.4@83.08,95.6
TRD2_N: B1.4 J2.8 U1.9 | length 45.4
  Top Layer w0.148: J2.8@58,97.46 59.151,97.46 59.238,97.547 59.238,97.67 58.471,98.436 57.596,98.436 57.024,97.864 57.024,94.584 60.724,90.883 64.067,90.883 67.388,87.563 67.388,87.237 67.5,87.125 B1.4@67.5,87 ; v1(65.966,87.614) 66.014,87.565 66.014,86.544 66.778,85.781 69.222,85.781 70.725,87.284 70.725,92.527 70.973,92.775 71,92.775 71.959,93.734 77.562,93.734 78.166,94.338 79.688,94.338 79.75,94.4 U1.9@80,94.4 ; 66.077,88.894 66.134,88.952 66.452,88.952 v1(66.5,89)
  Bottom Layer w0.148: v1(65.966,87.614) 66.5,88.147 v1(66.5,89)
TRD2_P: B1.5 J2.7 U1.11 | length 45.8
  Top Layer w0.148: J2.7@60.54,98.73 59.615,97.805 59.492,97.805 58.585,98.711 57.482,98.711 56.749,97.978 56.749,94.47 60.61,90.608 63.953,90.608 66.047,88.514 ; B1.5@67,87 67,87.125 67.112,87.237 67.112,87.449 66.047,88.514 ; U1.11@80,94 79.75,94 79.688,94.062 78.28,94.062 77.676,93.459 72.073,93.459 71.114,92.5 71.087,92.5 71,92.413 71,87.17 69.336,85.506 66.664,85.506 65.5,86.67 65.5,87.421 65.5,87.967 66.047,88.514
TRD3_N: B1.2 J2.10 U1.5 | length 34.8
  Top Layer w0.148: J2.10@58,94.92 58.027,94.947 59.42,94.947 63.236,91.132 64.93,91.132 68.062,88 ; v1(67.5,88) 68.062,88 ; B1.2@68.5,87.125 B1.2@68.5,87 68.576,87.076 68.576,87.486 68.062,88 ; v1@69.5,88.497 69.5,92.015 70.201,92.717 70.201,92.744 70.756,93.299 70.783,93.299 72.016,94.531 77.619,94.531 79.362,96.274 80.422,96.274 80.524,96.172 80.524,95.428 80.422,95.326 80.376,95.326 80.25,95.2 U1.5@80,95.2
  Bottom Layer w0.148: v1(67.5,88) 69,88 v1(69.5,88.5)
TRD3_P: B1.1 J2.9 U1.3 | length 31.6
  Top Layer w0.148: J2.9@60.54,96.19 59.615,95.265 59.615,95.142 63.35,91.407 65.044,91.407 68.888,87.563 68.888,87.237 69,87.125 B1.1@69,87 70,88 70,92.126 70.477,92.603 70.477,92.63 70.87,93.023 70.897,93.023 72.13,94.256 77.733,94.256 79.266,95.789 79.389,95.789 79.553,95.626 79.974,95.626 U1.3@80,95.6
TV_OUT: P6.11
USBD_N: B11.8 B12.4 J5.2 | length 27.9
  Top Layer w0.148: B11.8@82,59.7 82,59.15 81.888,59.038 81.888,58.826 84.548,56.166 94.3,56.166 94.475,55.991 94.598,55.991 94.924,56.318 94.924,56.414 95,56.49 95.176,56.314 95.176,56.268 95.225,56.219 95.225,46.575 94.15,45.5 J5.2@94.15,44.6
USBD_P: B11.9 B12.5 J5.3 | length 32.8
  Top Layer w0.148: B11.9@81.5,59.7 81.5,59.15 81.612,59.038 81.612,58.712 84.434,55.891 94.186,55.891 94.28,55.797 94.28,55.317 94,55.037 v1(94,55) ; J5.3@94.95,44.6 95.326,44.976 95.326,45.822 95.428,45.924 95.5,45.924 B12.5@95.5,56.49 ; B12.5@95.5,56.615 B12.5@95.5,56.49 ; v1(96.5,55) 96,55.5 95.587,55.5 95.5,55.587 B12.5@95.5,56.49
  Bottom Layer w0.148: v1(94,55) v1(96.5,55)
USBH_N: B9.30 B11.6 | length 20.1
  Top Layer w0.148: B9.30@69,54.3 68.971,54.329 68.971,54.382 68.89,54.463 68.89,55.115 74.397,60.622 83.199,60.622 83.372,60.449 83.372,58.951 83.16,58.739 82.974,58.739 82.888,58.826 82.888,59.038 B11.6@82.951,59.101 ; B11.6@83,59.2 B11.6@83.011,59.211
USBH_P: B9.31 B11.7 | length 22.1
  Top Layer w0.148: B9.31@68.5,54.3 68.5,54.341 68.615,54.456 68.615,55.229 74.283,60.897 83.313,60.897 83.647,60.563 83.647,58.837 83.274,58.464 82.86,58.464 82.612,58.712 82.612,59.038 82.5,59.15 B11.7@82.5,59.275
USBOTG: B11.2 R14.2 R15.1 | length 25.4
  Top Layer w0.17: B11.2@81.5,55.3 81.5,55.85 81.335,56.015 81.335,56.077 81.227,56.185 80.773,56.185 78.5,53.912 78.5,45.1 79.475,44.125 84.65,44.125 R14.2@85.065,43.71
  Top Layer w0.254: R15.1@85,39 85,43.645 R14.2@85.065,43.71
VBUS: J6.1 J6.5 P7.1 P7.2 | length 22.1
  Top Layer w0.254: J6.5@54.21,56.5 J6.1@56.83,56.5 ; P7.2@59.04,37.96 P7.1@59.04,40.5
  Bottom Layer w0.254: J6.1@56.83,56.5 59.04,54.29 P7.1@59.04,40.5
WL_DIS: P3.1 P4.1 U1.89 | length 54.4
  Top Layer w0.17: v1(77.5,79.5) 77.549,79.5 78.649,78.4 U1.89@80,78.4
  Top Layer w0.254: P3.1@60.289,120.631 P4.1@65.75,120.631
  Bottom Layer w0.254: P4.1@65.75,120.631 76,110.381 76,81 v1(77.5,79.5)
XTAL: B9.32 C19.1 Y2.2 | length 17.7
  Top Layer w0.254: B9.32@68,54.3 67.991,54.309 67.991,54.829 67.923,54.897 67.923,55.398 68,55.475 68,63.661 68.965,64.626 C19.1@69,64.626 69.035,64.626 69.173,64.764 69.173,64.799 71.25,66.876 Y2.2@71.25,70.5
pads on no net: B1.6 B1.7 B1.8 B1.9 B1.10 B2.2 B2.3 B2.6 B2.7 B2.8 B2.9 B3.6 B3.7 B3.8 B3.9 B3.10 B4.5 B4.6 B4.7 B5.1 B5.3 B6.3 B7.7 B7.8 B8.1 B9.11 B9.14 B9.16 B9.18 B9.20 B9.22 B9.24 B9.25 B9.28 B9.34 B9.37 B10.1 B11.3 B11.4 B12.1 B12.2 B12.6 B12.7 B12.9 B12.10 B13.7 B13.9 D1.2 J2. J2.S1 J2.S2 J4.MH1 J4.MH2 J4.MP1 J4.MP2 J4.MP3 J5. J5.4 J6. P7.9 P7.10 U1.19 U1.64 U1.68 U1.70 U1.72 U1.73 U1.76 U1.97 U1.101 U1.102 U1.103 U1.104 U1.105 U1.106 U1.109 U1.110 U1.111 U1.112 U1.115 U1.116 U1.117 U1.118 U1.121 U1.122 U1.123 U1.124 U1.127 U1.128 U1.129 U1.130 U1.133 U1.134 U1.135 U1.136 U1.139 U1.140 U1.141 U1.142 U1.143 U1.145 U1.146 U1.147 U1.148 U1.149 U1.151 U1.152 U1.153 U1.154 U1.157 U1.158 U1.159 U1.160 U1.163 U1.164 U1.165 U1.166 U1.169 U1.170 U1.171 U1.172 U1.175 U1.176 U1.177 U1.178 U1.181 U1.182 U1.183 U1.184 U1.187 U1.188 U1.189 U1.190 U1.193 U1.194 U1.195 U1.196 U1.199 U1.200 U1.SH1 U1.SH2 U1.SH3 U1.SH4

## Silkscreen, mask and mechanical layers (free items; w line width, h text height)
Mechanical 1:
  lines w0.254: 158.58,35 159.73,35 ccw(c159.73,36.27) 161,36.27 161,124.73 ccw(c159.73,124.73) 159.73,126 41.27,126 ccw(c41.27,124.73) 40,124.73 40,123.63 40,121.5 40,36.27 ccw(c41.27,36.27) 41.27,35 45,35 159.23,35
Mechanical 20:
  circle w0.254: c34.29,31.496 r3.2

## Text inside footprints (layer, text, board x,y; h text height)
P2: Top Overlay "3" at 55.048,122.064 h1.27 r90; Top Overlay "4" at 52.508,122.064 h1.27 r90; Top Overlay "2" at 52.508,115.46 h1.27 r90; Top Overlay "1" at 55.048,115.968 h1.27 r90
P6: Top Overlay "2" at 153.998,55.342 h1.27 r90; Top Overlay "1" at 156.538,55.342 h1.27 r90; Top Overlay "14" at 153.998,75.662 h1.27 r90; Top Overlay "13" at 156.538,75.662 h1.27 r90
P7: Top Overlay "2" at 61.58,38.468 h1.27 r180; Top Overlay "1" at 61.072,41.008 h1.27 r180; Top Overlay "9" at 47.356,41.008 h1.27 r180; Top Overlay "10" at 47.356,38.468 h1.27 r180
U1: Mechanical 13 "101-200" at 115.54,86.2 h0.81 r90; Mechanical 13 "1-100" at 81.54,86.2 h0.81 r90